# Altium PCB GridSeed_Rev04.PcbDoc (part 6 of 6)
Units mm, origin at the board's own origin, x right, y up, seen from the top; angles counter-clockwise.
Board outline 91 x 132.3 mm, 4 copper layers (L1, L2, L3, L4), stack 1.577 mm thick; 519 components, 141 nets, 2171 pads, 2470 vias.
Unrouted connection lines stored in the file: 1.
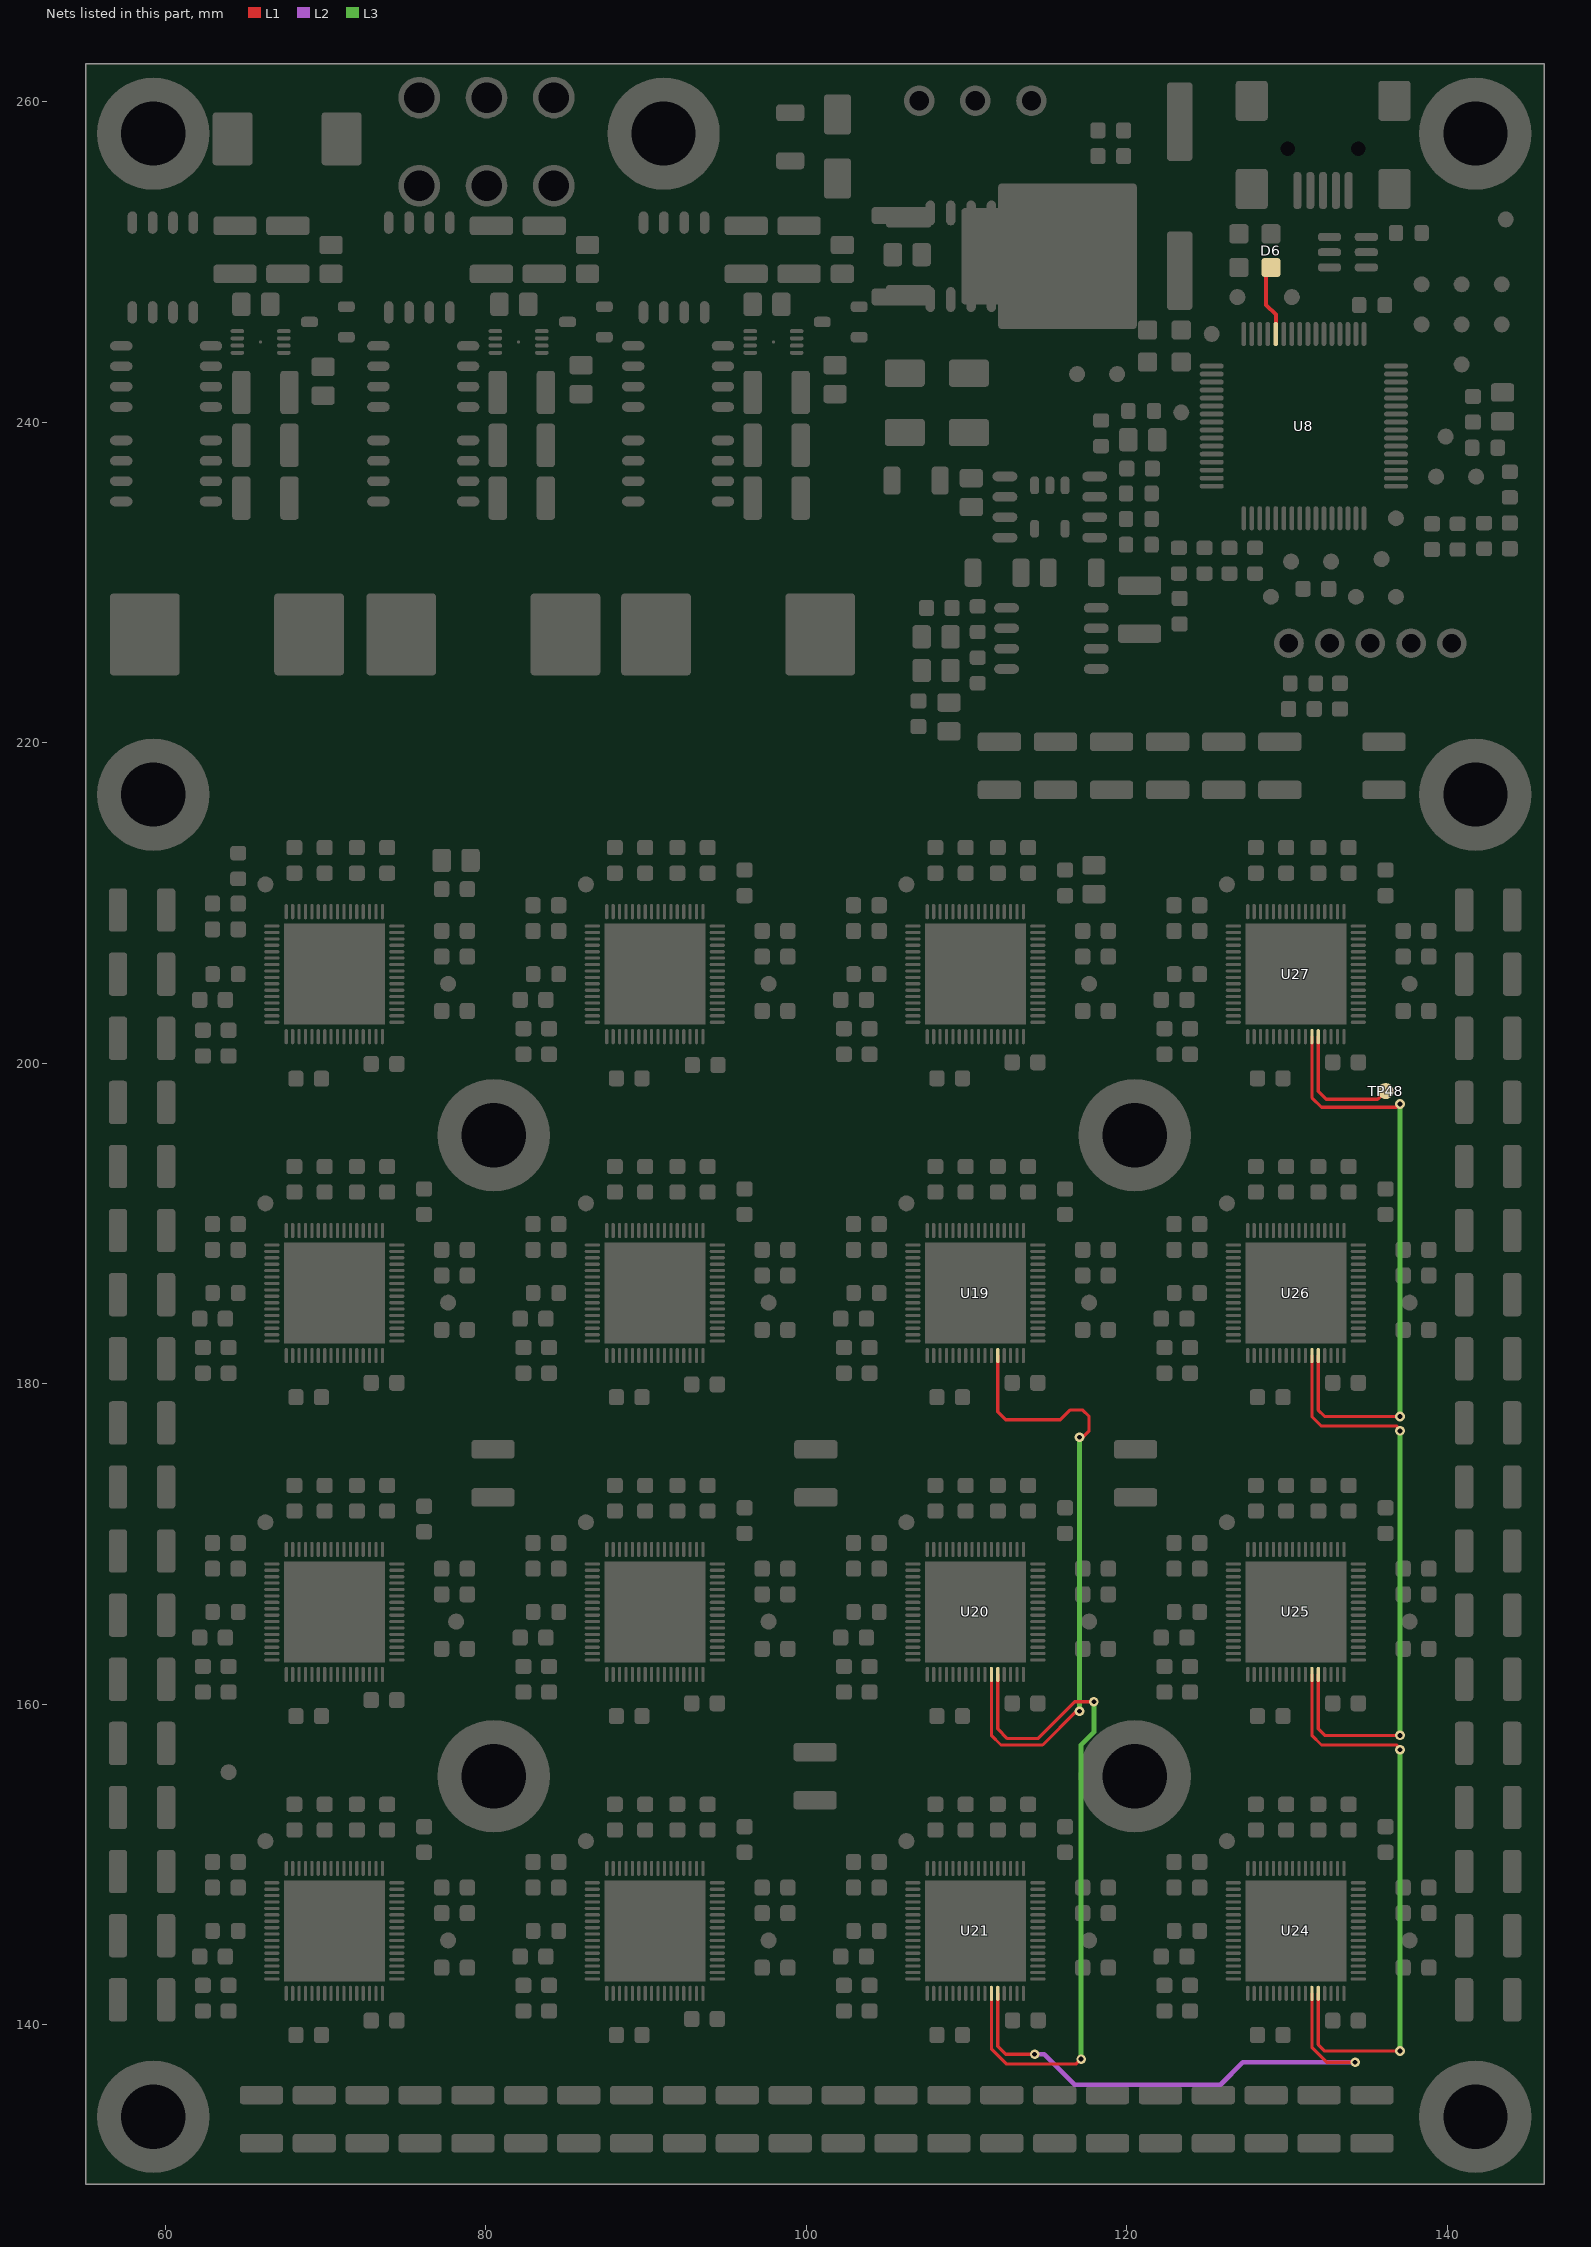
[diagram p8: the nets of this part, all layers, seen from the top]

## Via types
v1: diameter 0.6/0.6/0.6/0.6 (per signal layer), hole 0.3, L1 to L4, 2470 vias

## Nets (pads, with @x,y where several pads share a name; then routed paths per layer and width w, separated by ;. In a path a pad name is that pad's centre, name@x,y a point inside that pad or via, vN(x,y) a via of type N, cw(c..) or ccw(c..) an arc to the next point about the centre after c; other vN are vias at no path point) (continued)
XCLKOUT_10: U19.12 U20.11 | length 39
  L1 w0.2: U20.11@111.55,161.85 111.55,158.05 112.15,157.45 114.75,157.45 116.85,159.55 v1(117.05,159.55) ; U19.12@111.95,181.75 111.95,178.25 112.45,177.75 115.85,177.75 116.45,178.35 117.25,178.35 117.65,177.95 117.65,177.05 117.25,176.65 v1(117.05,176.65)
  L3 w0.3: v1(117.05,159.55) v1(117.05,176.65)
XCLKOUT_11: U20.12 U21.11 | length 42.8
  L1 w0.2: U21.11@111.55,141.95 111.55,138.484 112.484,137.55 116.85,137.55 v1(117.15,137.85) ; U20.12@111.95,161.85 111.95,158.45 112.55,157.85 114.45,157.85 116.75,160.15 v1(117.95,160.15)
  L3 w0.3: v1(117.15,137.85) 117.15,157.456 117.95,158.256 v1(117.95,160.15)
XCLKOUT_12: U21.12 U24.11 | length 33.6
  L1 w0.2: U21.12@111.95,141.95 111.95,138.65 112.45,138.15 v1(114.25,138.15) ; U24.11@131.55,141.95 131.55,138.584 132.484,137.65 v1(134.25,137.65)
  L2 w0.3: v1(114.25,138.15) 114.85,138.15 116.75,136.25 125.85,136.25 127.25,137.65 v1(134.25,137.65)
XCLKOUT_13: U24.12 U25.11 | length 37
  L1 w0.2: U25.11@131.55,161.85 131.55,158.05 132.15,157.45 136.85,157.45 v1(137.05,157.15) ; U24.12@131.95,141.95 131.95,138.75 132.35,138.35 v1(137.05,138.35)
  L3 w0.3: v1(137.05,138.35) v1(137.05,157.15)
XCLKOUT_14: U25.12 U26.11 | length 37.4
  L1 w0.2: U26.11@131.55,181.75 131.55,177.95 132.15,177.35 136.85,177.35 v1(137.05,177.05) ; U25.12@131.95,161.85 131.95,158.45 132.35,158.05 v1(137.05,158.05)
  L3 w0.3: v1(137.05,158.05) v1(137.05,177.05)
XCLKOUT_15: U26.12 U27.11 | length 37.8
  L1 w0.2: U27.11@131.55,201.65 131.55,197.85 132.15,197.25 136.85,197.25 v1(137.05,197.45) ; U26.12@131.95,181.75 131.95,178.35 132.35,177.95 v1(137.05,177.95)
  L3 w0.3: v1(137.05,177.95) v1(137.05,197.45)
XCLKOUT_16: TP48.1 U27.12 | length 8
  L1 w0.2: U27.12@131.95,201.65 131.95,198.25 132.45,197.75 135.65,197.75 TP48.1@136.15,198.25
YELLOW: D6.2 U8.44 | length 4.5
  L1 w0.25: D6.2@129,249.65 128.7,249.35 128.7,247.3 129.3,246.7 U8.44@129.3,245.5
pads on no net: FID1.1 FID2.1 J2.4 J2.10 J2.11 U8.65 U8.66 U14.4 U15.2 U15.3 U15.4 U22.3 U22.4 U23.3 U23.4

## Polygon pours and split planes (outlines as drawn)
GND on L1 "L1-GND" (solid, remove dead copper, pour order 39): 99.15,156.45 101.95,156.45 101.95,158.35 99.15,158.35
GND on L1 "L1-GND 1" (solid, remove dead copper, pour order 55): 55.05,262.35 146.05,262.35 146.05,130.05 55.05,130.05
GND on L1 "L1-GND 2" (solid, remove dead copper, pour order 41): 79.05,175.35 81.85,175.35 81.85,177.25 79.05,177.25
1V on L1 "L1-1V" (solid, remove dead copper, pour order 48): 87.15,223.45 87.15,237.2 84.8,239.55 84.8,243.3 82.05,243.3 82.05,223.45
12V on L1 "L1-12V" (solid, remove dead copper, pour order 45): 85.3,248.35 85.3,251.05 79.25,251.05 78.65,251.65 78.65,253.3 72.25,253.3 72.25,248.35
1V on L1 "L1-1V 1" (solid, remove dead copper, pour order 49): 103.05,223.05 103.05,237.15 100.7,239.5 100.7,243.3 97.95,243.3 97.95,223.05
12V on L1 "L1-12V 1" (solid, remove dead copper, pour order 43): 101.3,248.35 101.3,251.05 95.55,251.05 94.45,252.15 94.45,253.25 88.25,253.25 88.25,248.35
3.3V on L1 "L1-3.3V" (solid, remove dead copper, pour order 46): 117.05,233.25 117.05,228.45 128.65,228.45 128.65,233.25
SWN2 on L1 "L1-SWN2" (solid, remove dead copper, pour order 53): 77.35,223.45 77.35,248.05 72.25,248.05 72.25,223.45
SWN3 on L1 "L1-SWN3" (solid, remove dead copper, pour order 51): 93.25,223.45 93.243,248.05 88.25,248.05 88.25,223.45
12V on L1 "L1-12V 2" (solid, remove dead copper, pour order 44): 69.3,248.35 69.3,251.05 63.25,251.05 62.65,251.65 62.65,253.25 56.25,253.25 56.25,248.35
12V on L1 "L1-12V 3" (solid, remove dead copper, pour order 47): 69.75,261.8 85.8,261.8 85.8,258.95 75.1,258.95 72.2,256.05 69.75,256.05
SWN1 on L1 "L1-SWN1" (solid, remove dead copper, pour order 52): 61.35,223.45 61.343,248.05 56.25,248.05 56.25,223.45
GND on L1 "L1-GND 3" (solid, remove dead copper, pour order 40): 119.15,175.35 121.95,175.35 121.95,177.25 119.15,177.25
GND on L1 "L1-GND 4" (solid, remove dead copper, pour order 42): 99.15,175.35 101.95,175.35 101.95,177.25 99.15,177.25
1V on L1 "L1-1V 2" (solid, remove dead copper, pour order 54): 65.85,229.45 65.85,218.45 58.75,211.35 58.75,134.25 142.35,134.25 142.35,218.25 107.05,218.25 103.05,222.25 103.05,229.25 97.95,229.25 97.95,222.25 87.15,222.25 87.15,229.25 82.05,229.25 82.05,222.35 71.15,222.35 71.15,229.45
1V on L1 "L1-1V 3" (solid, remove dead copper, pour order 50): 71.15,223.45 71.15,237.2 68.8,239.55 68.8,243.3 66.05,243.3 65.85,243.1 65.85,223.45
12V on L3 "L3-12V" (solid, remove dead copper, pour order 66): 56.25,253.25 64.751,261.8 108.6,261.8 108.6,258.2 95.35,258.2 95.35,248.35 88.25,248.35 88.25,250.6 85.3,253.55 85.3,254.8 84.05,256.05 80.133,256.05 79.45,255.538 79.45,248.35 72.25,248.35 72.25,252.85 76.15,252.85 76.15,255.7 75.8,256.05 66.45,256.05 63.55,253.15 63.55,248.35 56.25,248.35
GND on L3 "L3-GND" (solid, remove dead copper, pour order 68): 55.05,130.05 146.05,130.05 146.05,262.3 55.05,262.3
1V on L3 "L3-1V" (solid, remove dead copper, pour order 67): 55.05,130.05 55.05,232.55 64.3,232.55 64.4,237.55 66.05,239.05 66.05,242.6 68.8,242.6 68.8,239.05 72.044,239.05 72.05,232.8 80.3,232.8 80.3,239.05 82.05,239.05 82.05,242.6 84.8,242.6 84.8,239.05 88.05,239.05 88.05,232.8 96.3,232.8 96.3,237.3 98.05,239.05 98.05,242.6 100.55,242.6 100.55,239.05 105.477,239.05 111.427,233.05 146.05,233.05 146.05,130.05
SWN3 on L3 "L3-SWN3" (solid, remove dead copper, pour order 63): 93.25,223.45 93.243,246.1 88.25,246.1 88.25,223.45
SWN2 on L3 "L3-SWN2" (solid, remove dead copper, pour order 64): 77.35,223.45 77.35,246.1 72.25,246.1 72.25,223.45
SWN1 on L3 "L3-SWN1" (solid, remove dead copper, pour order 65): 61.35,223.45 61.342,248.05 56.25,248.05 56.25,223.45
1V on L4 "L4-1V" (solid, remove dead copper, pour order 70): 98.559,243.092 100.7,240.95 100.7,239.5 103.05,237.15 103.05,223.05 97.95,223.05 97.95,243.092
SWN1 on L4 "L4-SWN1" (solid, remove dead copper, pour order 73): 61.35,223.45 61.34,248.05 56.25,248.05 56.25,223.45
GND on L4 "L4-GND" (solid, remove dead copper, pour order 76): 55.05,130.05 146.05,130.05 146.05,262.3 55.05,262.3
1V on L4 "L4-1V 1" (solid, remove dead copper, pour order 71): 66.658,243.192 68.8,241.05 68.8,239.55 71.15,237.2 71.15,223.45 65.85,223.45 65.85,243.192
SWN3 on L4 "L4-SWN3" (solid, remove dead copper, pour order 72): 93.25,223.45 93.237,248.05 88.25,248.05 88.25,223.45
SWN2 on L4 "L4-SWN2" (solid, remove dead copper, pour order 74): 77.35,223.45 77.35,248.05 72.25,248.05 72.25,223.45
12V on L4 "L4-12V" (solid, remove dead copper, pour order 75): 102.675,248.35 102.675,262.35 55.05,262.35 55.05,248.35
1V on L4 "L4-1V 2" (solid, remove dead copper, pour order 69): 82.659,243.192 84.8,241.05 84.8,239.55 87.15,237.2 87.15,223.45 82.05,223.45 82.05,243.192
12V on L2 "L2-12V" (solid, remove dead copper, pour order 56): 56.25,253.25 62.75,253.25 62.75,248.35 56.25,248.35
SWN2 on L2 "L2-SWN2" (solid, remove dead copper, pour order 60): 77.35,223.45 77.35,246.2 72.25,246.2 72.25,223.45
12V on L2 "L2-12V 1" (solid, remove dead copper, pour order 58): 72.25,253.227 79.45,253.227 79.45,248.35 72.25,248.35
SWN3 on L2 "L2-SWN3" (solid, remove dead copper, pour order 59): 93.253,223.45 93.245,246.2 88.25,246.2 88.25,223.45
12V on L2 "L2-12V 2" (solid, remove dead copper, pour order 57): 88.25,253.25 95.35,253.25 95.35,248.35 88.25,248.35
SWN1 on L2 "L2-SWN1" (solid, remove dead copper, pour order 61): 61.352,223.45 61.344,248.05 56.25,248.05 56.25,223.45
GND on L2 "L2-GND" (solid, remove dead copper, pour order 62): 55.05,130.05 146.05,130.05 146.05,262.3 55.05,262.3

## Keep-outs
Keep-Out Layer:
  the board outline again, w0.254

## Other copper
L1:
  text "Top" at 120.194,36.075 h1.35
L2:
  text "Inner 1" at 118.934,36.3 h1.35
L3:
  text "Inner 2" at 118.645,36.3 h1.35
L4:
  text "Bottom" at 118.529,36.3 h1.35
Multi-Layer:
  lines w0.05: 0.1,0.25 0.1,0.1 0.25,0.1
  lines w0.1: 5.1,12.6 10.1,12.6 195.1,12.6 ; 5.1,57.6 10.1,57.6 ; 5.1,98.638 10.1,98.638 ; 5.1,148.638 10.1,148.638 ; 5.1,198.638 10.1,198.638 ; 5.1,248.676 10.1,248.676 ; 10.1,17.6 105.1,17.6 ; 10.1,22.6 195.1,22.6 ; 10.1,27.6 105.1,27.6 ; 10.1,32.6 195.1,32.6 ; 10.1,37.6 105.1,37.6 ; 10.1,42.6 195.1,42.6 ; 10.1,47.6 105.1,47.6 ; 10.1,52.6 105.1,52.6 ; 10.1,292.1 10.1,5.1 ; 10.35,5.1 195.1,5.1 ; 17.85,12.6 17.85,57.6 ; 70.1,12.6 70.1,57.6 ; 85.1,12.6 85.1,57.6 ; 95.1,12.6 95.1,57.6 ; 105.1,12.6 105.1,57.6 ; 137.6,32.6 137.6,42.6 ; 147.6,32.6 147.6,57.6 ; 182.6,12.6 182.6,42.6 ; 10.1,5.1 10.1,57.6 ; 10.1,5.1 195.1,5.1 ; 10.1,5.1 5.1,5.1 5.1,292.1 195.1,292.1 195.1,5.1 ; 10.1,5.1 195.1,5.1 ; 10.1,5.1 195.1,5.1 ; 10.1,57.6 195.1,57.6 195.1,5.1
  text "Schematic file and SVN revision:" at 106.6,54.386 h1
  text "Schematic name" at 106.6,49.573 h1.35
  text "TEHNOBIT" at 163.878,48.95 h2.5
  text "Rev" at 106.6,45.705 h1.35
  text "Scale" at 140.358,40.16 h1
  text "Size" at 186.929,40.136 h1
  text "Layer" at 106.275,39.993 h1
  text "Document type" at 153.081,39.993 h1
  text "Gerber" at 161.907,35.455 h1.35
  text "1:1" at 142.263,34.605 h1.35
  text "A4" at 187.021,34.605 h1.35
  text "REV" at 186.991,30.06 h1
  text "Title/DrawingNr" at 107.054,29.87 h1
  text "GridSeed_Rev04" at 139.37,26.293 h1.35
  text "04" at 187.092,26 h1.35
  text "Sheet" at 186.396,20.61 h1
  text "Project" at 106.699,20.42 h1
  text "YYYY-MM-DD" at 71.444,19.63 h1.3
  text "XXX" at 88.639,19.63 h1.3
  text "YYY" at 98.577,19.63 h1.3
  text "01" at 13.763,19.6 h1.35
  text "Creation" at 38.419,19.568 h1.35
  text "GridSeed_Rev04" at 139.37,16.393 h1.35
  text "Rev." at 12.835,14.6 h1.35
  text "Date" at 75.719,14.6 h1.35
  text "Author" at 87.317,14.6 h1.35
  text "Check" at 97.609,14.6 h1.35
  text "Modification" at 36.723,14.568 h1.35
  text "1/1" at 187.025,14.127 h1.35
  text "Printed copies of this document are uncontrolled and may NOT be current. All information is strictly CONFIDENTIAL." at 10.75,10.05 h1.05
  text "IMI Group reserves all rights even in the event of industrial property rights." at 118.85,10.05 h1.05
  text "We reserve all rights of disposal such as copying and passing on to third parties." at 10.7,6.6 h1.05

## Silkscreen, mask and mechanical layers (free items; w line width, h text height)
26_Silkscreen Top:
  text "TECHNOBIT" at 93.479,215.63 h3
  text "Silkscreen Top" at 115.28,36.043 h1.35
29_Silkscreen Bottom:
  text "Silkscreen Bottom" at 113.615,36.268 h1.35
23_Paste Mask Top:
  text "Solder Paste Top" at 113.866,36.075 h1.35
22_Paste Mask Bottom:
  text "Solder Paste Bottom" at 112.201,36.3 h1.35
21_Solder Mask Top:
  text "Solder Mask Top" at 114.184,36.075 h1.35
28_Solder Mask Bottom:
  region: 55.177,222.05 73.55,222.05 73.55,212.75 55.177,212.75 55.177,222.05
  region: 55.05,130.05 146.05,130.05 146.05,133.65 55.05,133.65 55.05,130.05
  region: 142.65,216.75 146.05,216.75 146.05,130.05 142.65,130.05 142.65,216.75
  region: 55.05,216.75 58.45,216.75 58.45,130.05 55.05,130.05 55.05,216.75
  region: 107.55,215.05 113.55,215.05 113.55,130.05 107.55,130.05 107.55,215.05
  region: 127.55,215.05 133.55,215.05 133.55,130.05 127.55,130.05 127.55,215.05
  region: 87.55,215.05 93.55,215.05 93.55,130.05 87.55,130.05 87.55,215.05
  region: 59.65,176.15 141.45,176.15 141.45,171.75 59.65,171.75 59.65,176.15
  region: 127.55,222.05 145.95,222.05 145.95,212.75 127.55,212.75 127.55,222.05
  region: 59.65,216.65 63.65,216.65 63.65,129.95 59.65,129.95 59.65,216.65
  region: 67.55,215.05 73.55,215.05 73.55,130.05 67.55,130.05 67.55,215.05
  region: 137.65,216.75 141.45,216.75 141.45,130.05 137.65,130.05 137.65,216.75
  text "Solder Mask Bottom" at 112.519,36.3 h1.35
Notes:
  text "Assembly Top" at 115.351,36.075 h1.35
Fabrication:
  text "Assembly Bottom" at 113.686,36.075 h1.35
24_Drill Drawing:
  text "Drill Drawing" at 116.376,36.043 h1.35
Mechanical 17:
  lines w0.025: 55.05,262.35 55.051,262.35 ; 146.05,262.35 146.051,262.35 ; 146.05,262.35 146.051,262.35 ; 146.05,130.05 146.051,130.05
  lines w0.254: 55.05,263.62 55.05,270.32 ; 95.458,269.05 55.05,269.05 ; 105.642,269.05 146.05,269.05 ; 146.05,263.62 146.05,270.32 ; 147.32,130.05 151.32,130.05 ; 147.32,262.35 151.32,262.35 ; 150.05,193.288 150.05,130.05 ; 150.05,204.857 150.05,262.35 ; 55.05,269.05 57.59,269.685 57.59,268.415 55.05,269.05 ; 146.05,269.05 143.51,268.415 143.51,269.685 146.05,269.05 ; 150.05,130.05 149.415,132.59 150.685,132.59 150.05,130.05 ; 150.05,262.35 150.685,259.81 149.415,259.81 150.05,262.35 ; 55.05,130.05 146.05,130.05 146.05,262.35 55.05,262.35 55.05,130.05
  text "91.00mm" at 96.22,268.098 h1.27
  text "132.30mm" at 151.05,194.05 h1.27 r90
  text "Fabrication" at 116.903,33.518 h1.35

## Text inside footprints (layer, text, board x,y; h text height)
J1: Top Assy "1" at 129.14,225.25 h0.5; Top Assy "5" at 140.983,225.25 h0.5
J2: Top Assy "1" at 133.909,256.45 h0.5 r180; Top Assy "5" at 130.767,256.45 h0.5 r180
J3: Top Assy "1" at 115.46,260.35 h0.5 r180; Top Assy "3" at 105.917,260.35 h0.5 r180